# Altium PCB SAMD21_Xplained_Pro.PcbDoc (part 1 of 2)
Units mm, origin at the board's own origin, x right, y up, seen from the top; angles counter-clockwise.
Board outline 60 x 100 mm, 4 copper layers (Top Layer LF-signals, GND, POWER, Bottom Layer LF-signals), stack 1.604 mm thick; 130 components, 118 nets, 600 pads, 196 vias.
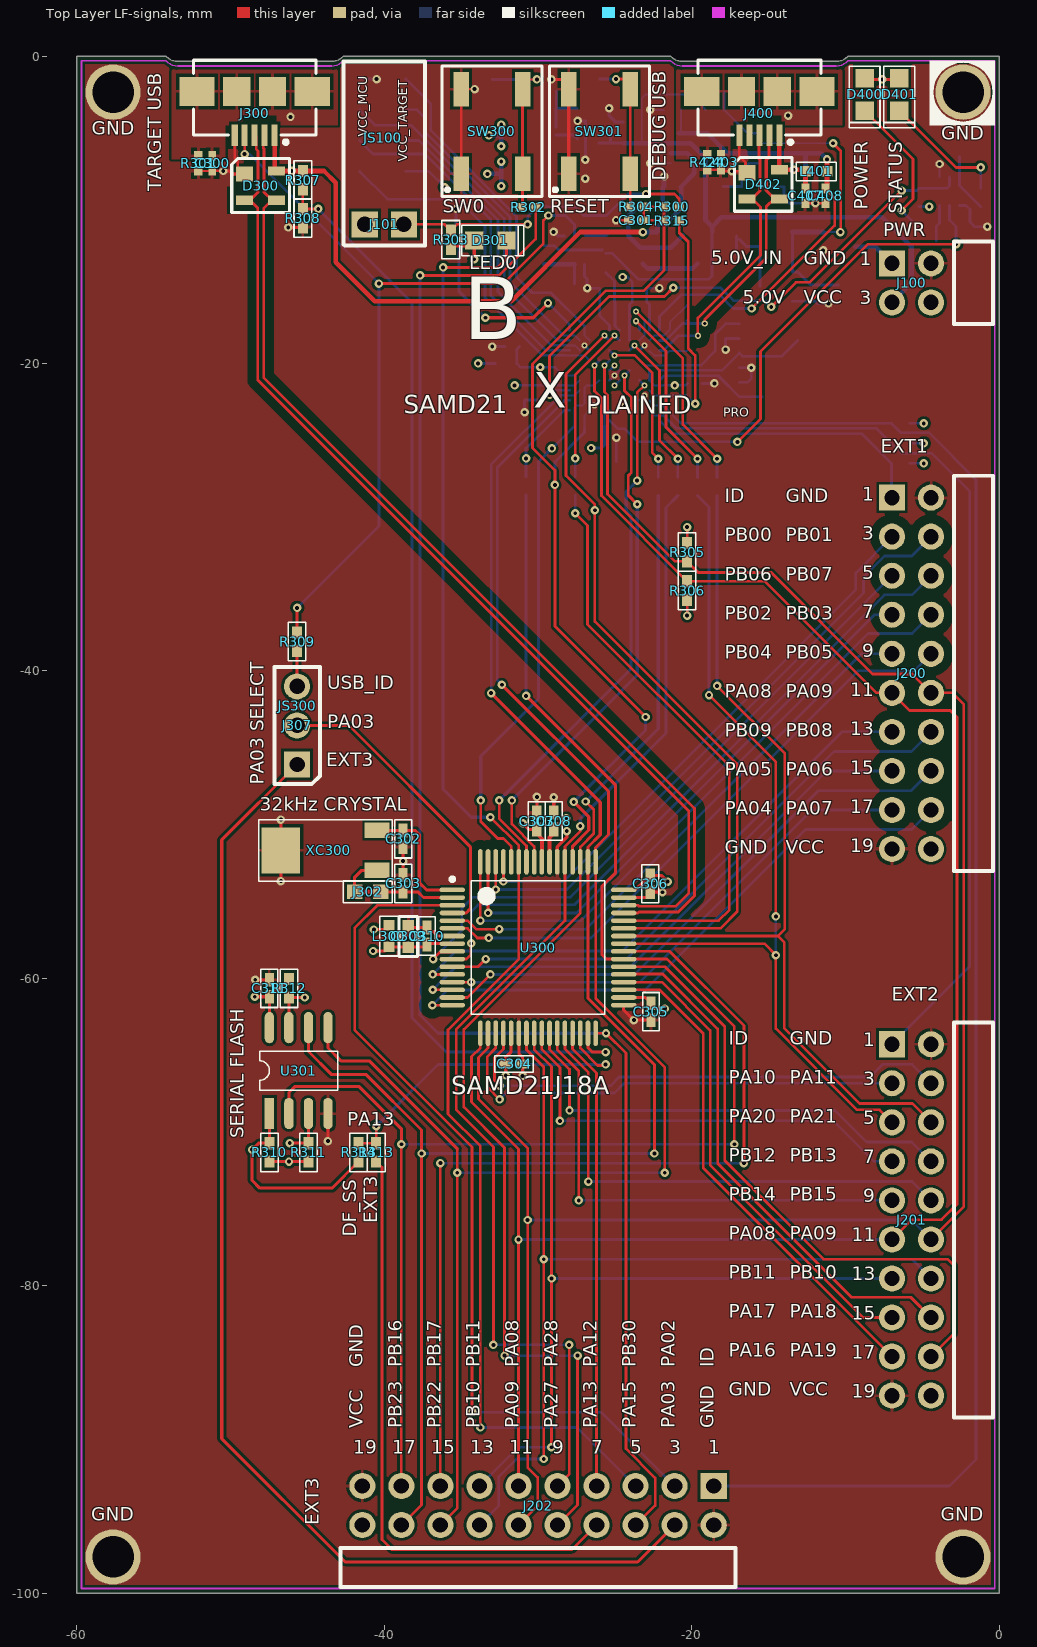
[diagram p0: Top Layer LF-signals view]
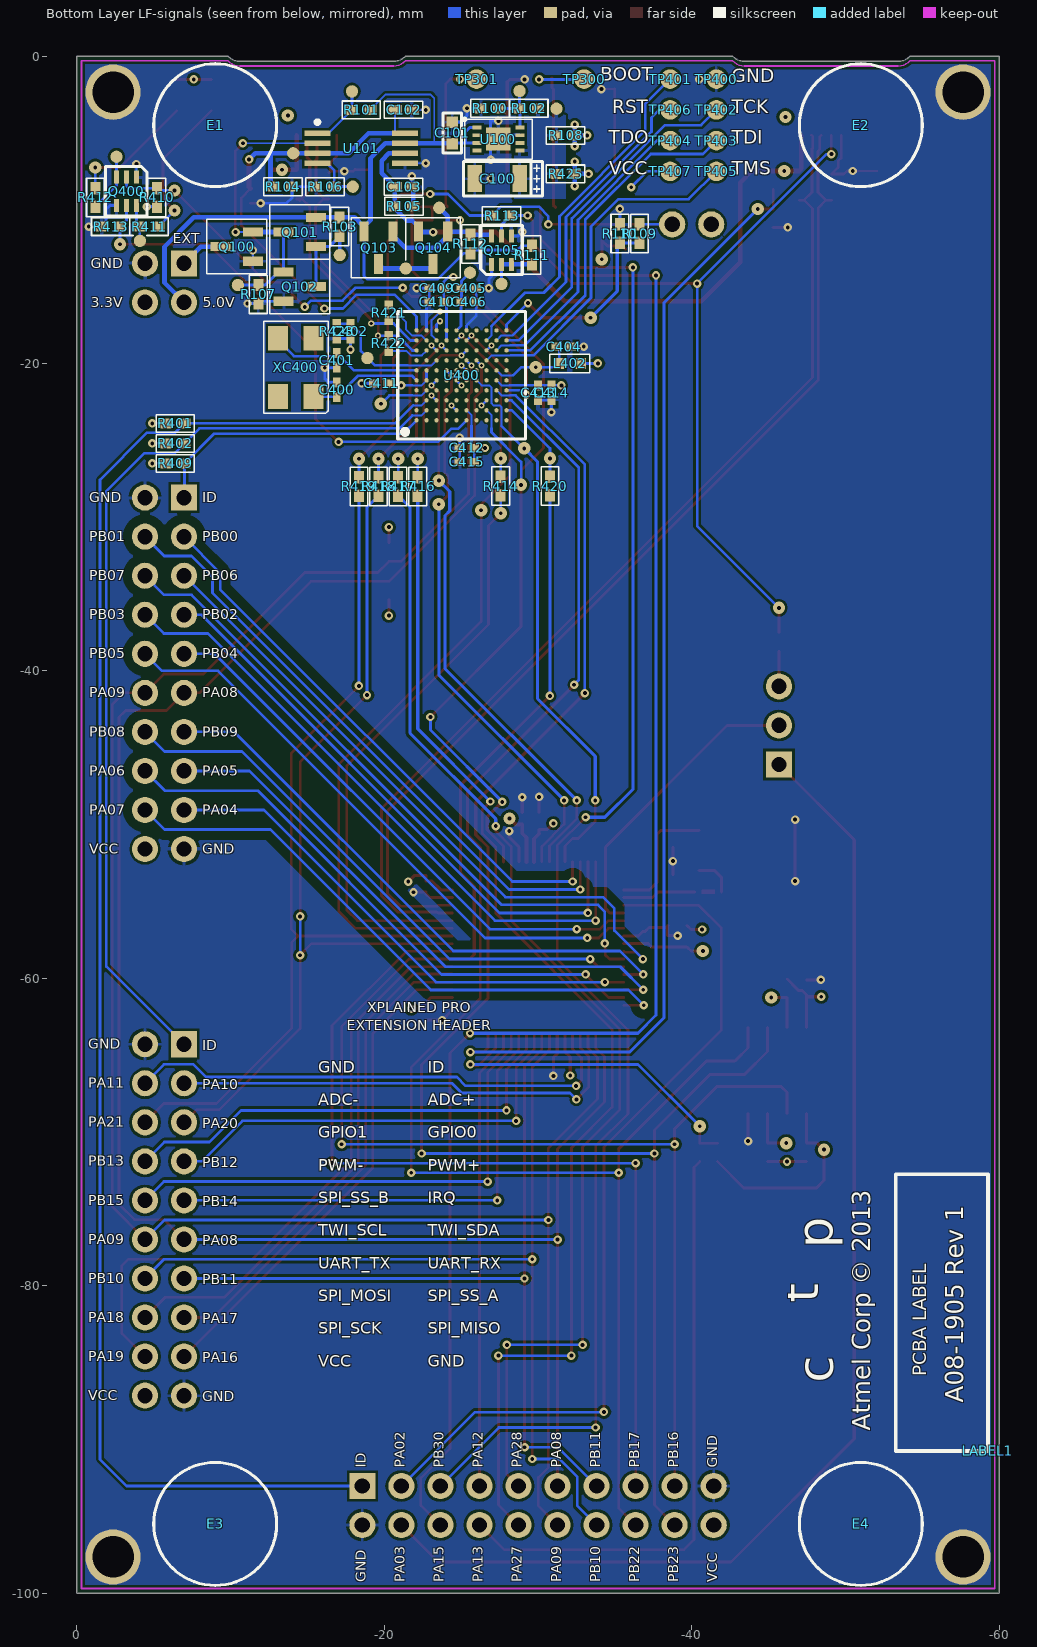
[diagram p1: Bottom Layer LF-signals view, seen from below]
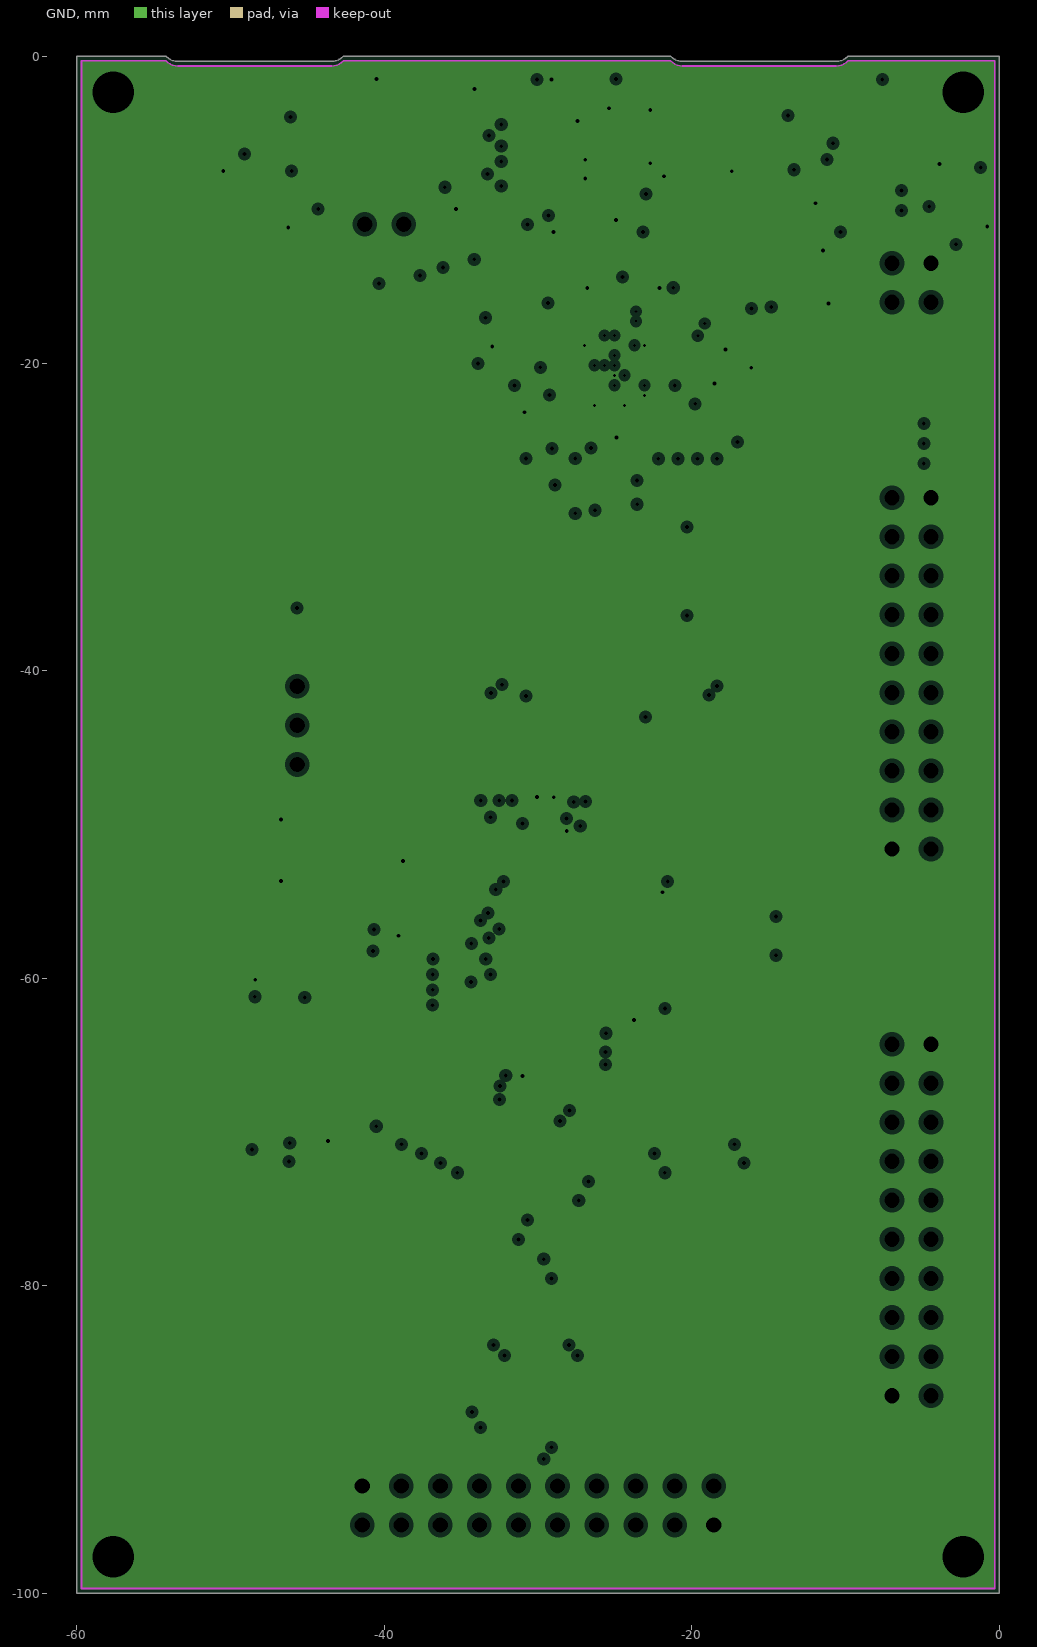
[diagram p2: GND, clearances drawn from the general rule]
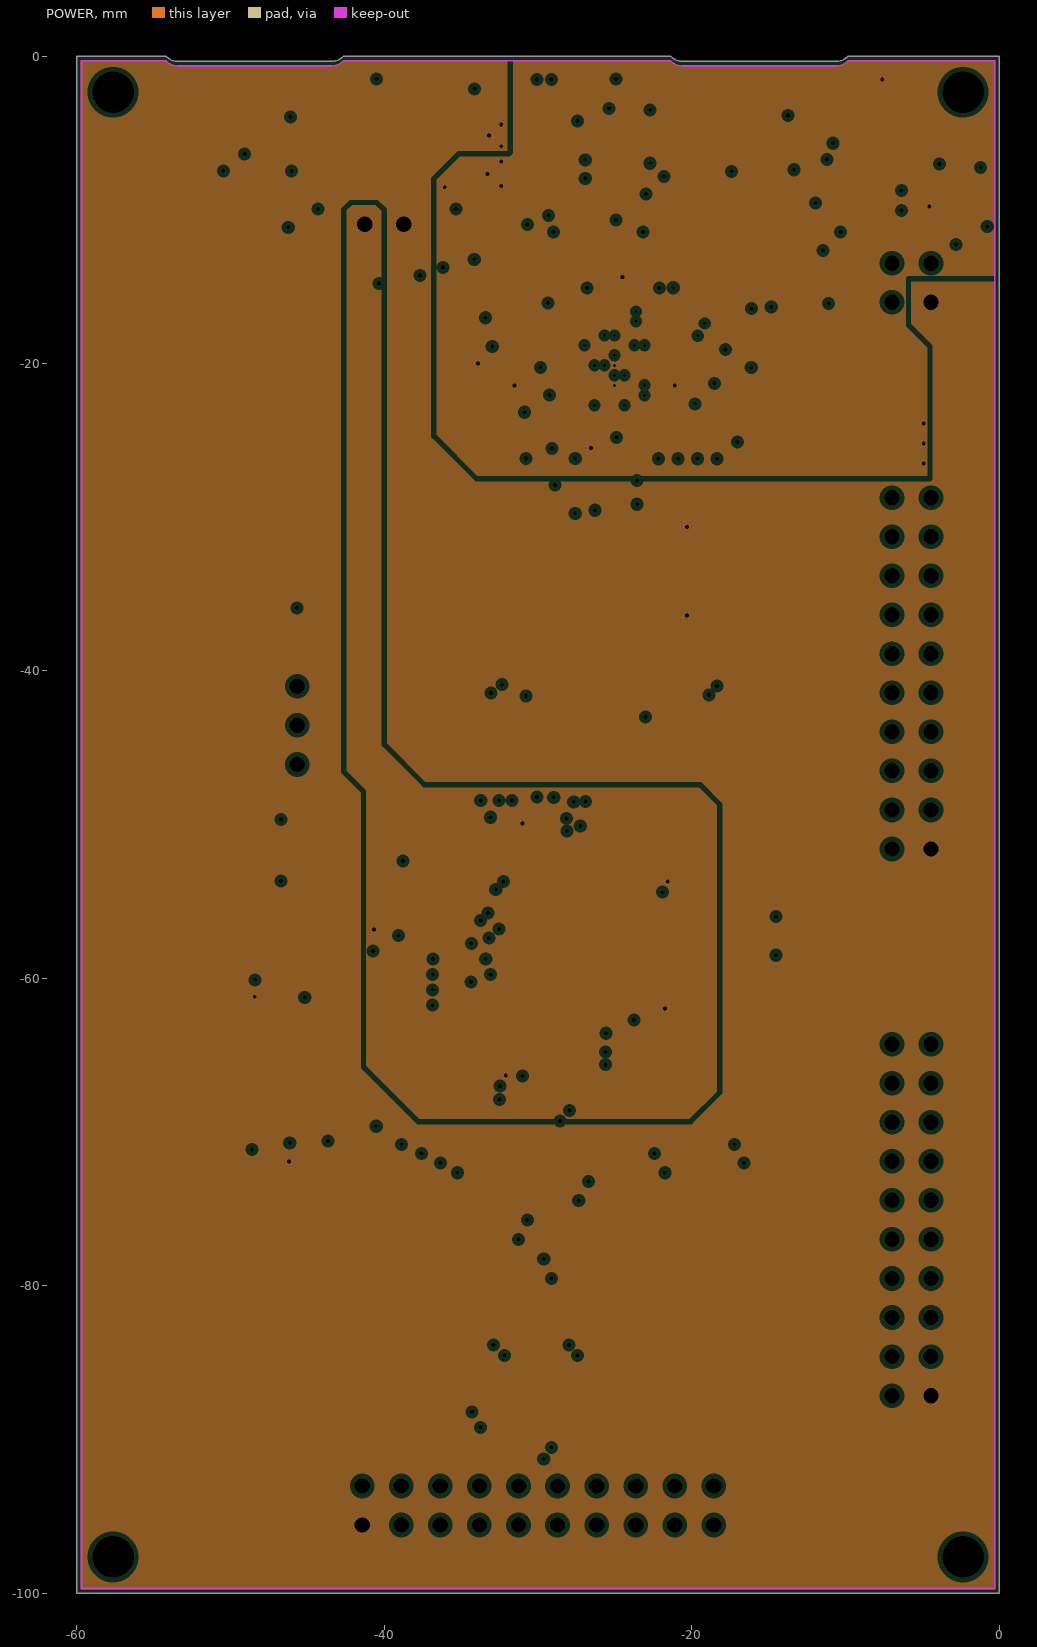
[diagram p3: POWER, clearances drawn from the general rule]
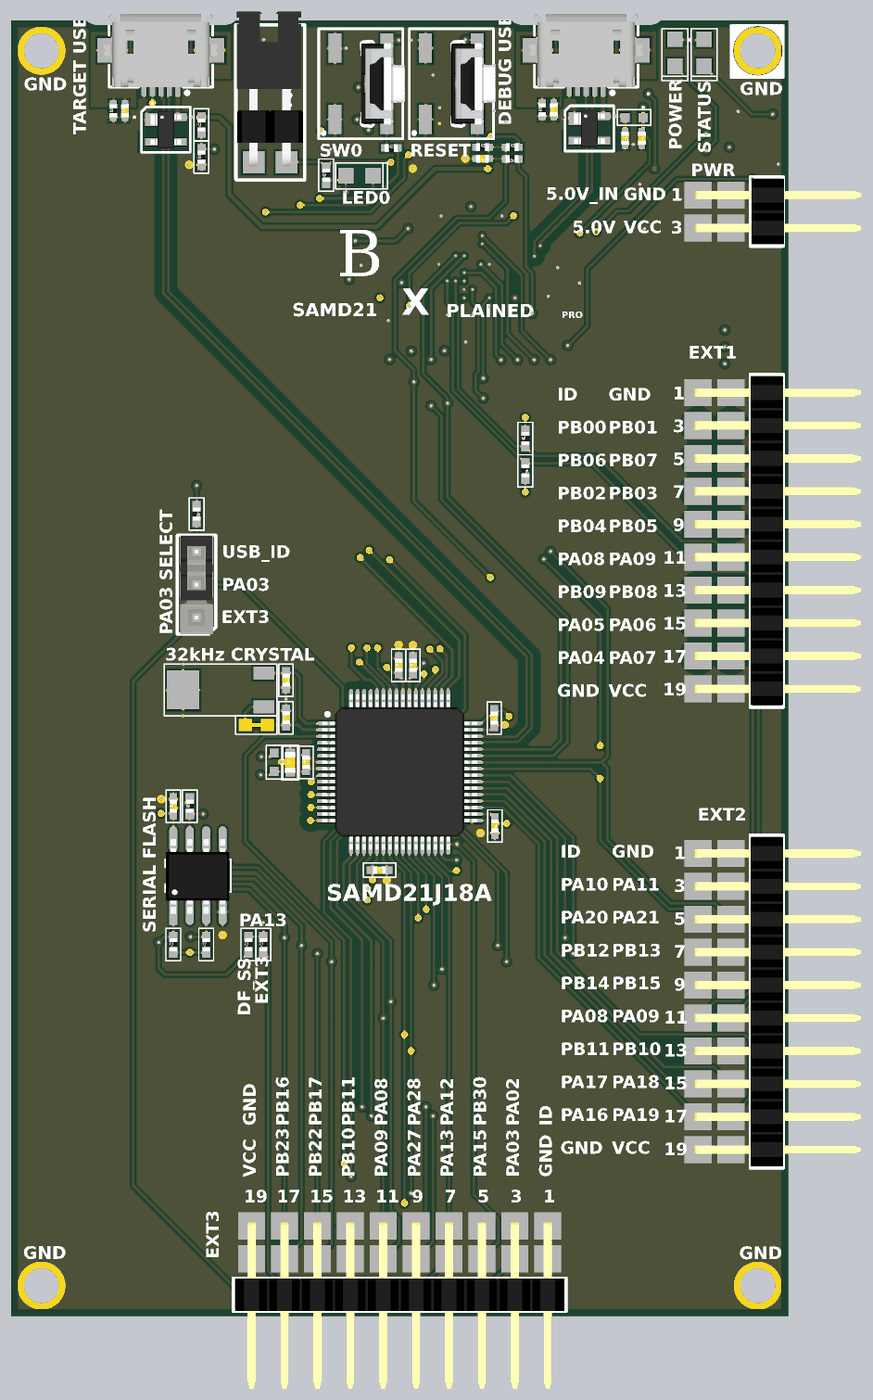
[diagram p5: 3D render of the assembled board from above, using the file's embedded part models]
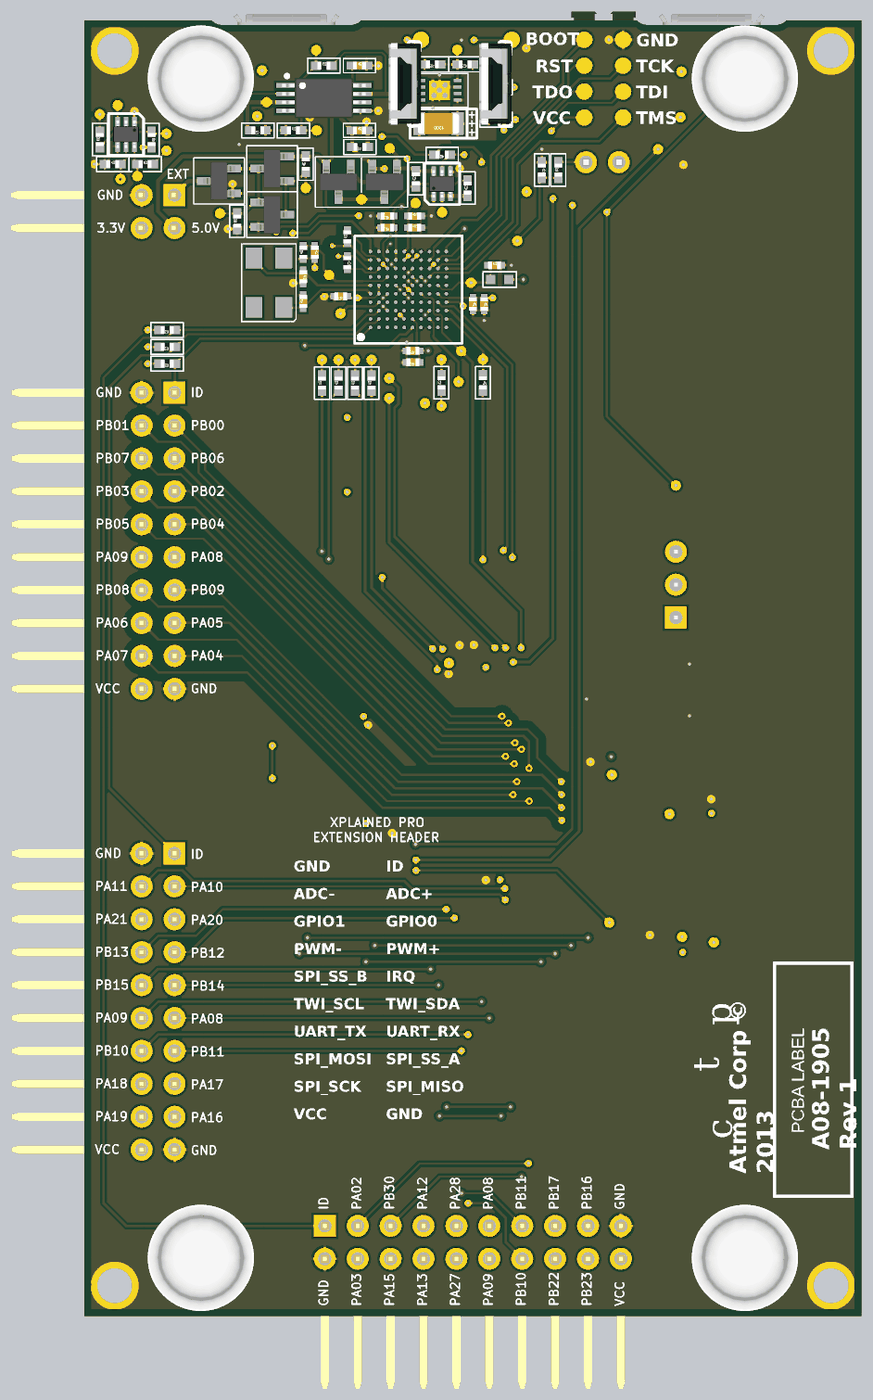
[diagram p6: 3D render of the assembled board from below, using the file's embedded part models]

## Layer stack, top to bottom
Top Solder: solder mask 0.0102, Solder Resist, Dk 3.5
Top Layer LF-signals: signal copper 0.049
Dielectric1: prepreg 0.118, FR-4, Dk 4.8
GND: plane copper 0.035
Dielectric2: core 1.2, FR-4, Dk 4.8
POWER: plane copper 0.035
Dielectric3: prepreg 0.118, FR-4, Dk 4.8
Bottom Layer LF-signals: signal copper 0.049
Bottom Solder: solder mask 0.0102, Solder Resist, Dk 3.5

## Board outline
-60,-100 -60,0 -54.209,0 -54.209,-0.001 ccw(c-53.434,0.686) -53.434,-0.35 -43.434,-0.35 ccw(c-43.434,0.686) -42.659,-0.001 -42.659,0 -21.375,0 -21.375,-0.001 ccw(c-20.6,0.686) -20.6,-0.35 -10.6,-0.35 ccw(c-10.6,0.686) -9.825,-0.001 -9.825,0 0,0 0,-100

## Design rules (kind name [scope] priority, off if disabled: settings)
AcuteAngle [All] p1: minimum=7.00000000000000E+0001 checktracksonly=FALSE
AssemblyTestPointUsage "Schematic Assembly Testpoint Usage_10" [InNet('XIN0')] p1: valid=1
AssemblyTestPointUsage "Schematic Assembly Testpoint Usage_9" [InNet('XOUT0')] p2: valid=1
AssemblyTestPointUsage "Schematic Assembly Testpoint Usage_8" [InNet('EDBG_USB_FS_N')] p3: valid=1
AssemblyTestPointUsage "Schematic Assembly Testpoint Usage_7" [InNet('EDBG_USB_FS_P')] p4: valid=1
AssemblyTestPointUsage "Schematic Assembly Testpoint Usage_6" [InNet('EDBG_USB_HS_N')] p5: valid=1
AssemblyTestPointUsage "Schematic Assembly Testpoint Usage_5" [InNet('NetJ302_1')] p6: valid=1
AssemblyTestPointUsage "Schematic Assembly Testpoint Usage_4" [InNet('PA01_XOUT32')] p7: valid=1
AssemblyTestPointUsage "Schematic Assembly Testpoint Usage_3" [InNet('PA00_XIN32')] p8: valid=1
AssemblyTestPointUsage "Schematic Assembly Testpoint Usage_2" [InNet('TARGET_USB_P')] p9: valid=1
AssemblyTestPointUsage "Schematic Assembly Testpoint Usage_1" [InNet('TARGET_USB_N')] p10: valid=1
AssemblyTestPointUsage "Schematic Assembly Testpoint Usage" [InNet('EDBG_USB_HS_P')] p11: valid=1
AssemblyTestPointUsage [All] p12:
AssemblyTestpoint [All] p1: testpointundercomponent=TRUE minsize=0.8 maxsize=10 preferedsize=0.8 minholesize=0 maxholesize=2 preferedholesize=0.25 testpointgrid=0.025 usegrid=FALSE gridtolerance=0 allowsidebottom=TRUE minspacing=1.27 compbodyclearance=0.127
Clearance Clearance_EDBG [InComponent('U400')] p1: gap=0.119
Clearance Clearance_touch [IsRegion vs (InNet('PB00_ADC8') OR InNet('PB01_ADC9') OR InNet('PB02_PWM_TC6_0') OR InNet('PB03_PWM_TC6_1') OR InNet('PB04_GPIO_IRQ4') OR InNet('PB05_GPIO_SS') OR InNet('PB06_GPIO') OR InNet('PB07_GPIO') OR InNet('PB08_S4_UART_TX') OR InNet('PB09_S4_UART_RX') OR InNet('PA04_S0_SPI_MISO') OR InNet('PA05_S0_SPI_SS') OR InNet('PA06_S0_SPI_MOSI') OR InNet('PA07_S0_SPI_SCK'))] p2: gap=0.6
Clearance Clearance_Poly_Impedance [IsRegion vs InDifferentialPairClass('All Differential Pairs')] p3: gap=0.6
Clearance Clearance_Poly [InPoly] p4: gap=0.175
Clearance [All] p5: gap=0.135
ComponentClearance [All] p1: gap=0.1 collisioncheckmode=3 verticalgap=0.1 showdistances=FALSE
DiffPairsRouting [All] p1: maxlimit=0.22 minlimit=0.2 mostfreqgap=0.2 toplayer_minwidth=0.381 toplayer_maxwidth=0.381 toplayer_prefwidth=0.381 bottomlayer_minwidth=0.381 bottomlayer_maxwidth=0.381 bottomlayer_prefwidth=0.381 maxuncoupledlength=20
FabricationTestPointUsage TestPointUsage [All] p1: valid=0 allowmultiple=FALSE
FabricationTestpoint Testpoint [All] p1: side=2 testpointundercomponent=TRUE minsize=0.55 maxsize=10 preferedsize=0.8 minholesize=0 maxholesize=2 preferedholesize=0.25 testpointgrid=0 allowsidebottom=TRUE usegrid=FALSE gridtolerance=0 minspacing=1.27 compbodyclearance=0.127
HoleSize [All] p1: absolutevalues=TRUE maxlimit=10 minlimit=0.15 maxpercent=80.000 minpercent=20.000
HoleToHoleClearance [All] p1: gap=0.3 allowstackedmicrovias=TRUE
MinimumAnnularRing [All] p1: minimumring=0.1
MinimumSolderMaskSliver [All] p1: minsoldermaskwidth=0.075
PlaneClearance [All] p1: clearance=0.3
PlaneConnect PlaneConnect_VIA [IsVia OR HasPad('Free-666')] p1: planeconnectstyle=Direct reliefexpansion=0.508 reliefentries=4 reliefconductorwidth=0.254 reliefairgap=0.254
PlaneConnect [All] p2: planeconnectstyle=Relief reliefexpansion=0.508 reliefentries=4 reliefconductorwidth=0.254 reliefairgap=0.254
PolygonConnect PolygonConnect_VIA [IsVia OR HasPad('Free-666')] p1: connectstyle=Direct reliefconductorwidth=0.254 reliefentries=4 polygonreliefangle="90 Angle" airgapwidth=0.254
PolygonConnect [All] p2: connectstyle=Relief reliefconductorwidth=0.2 reliefentries=4 polygonreliefangle="90 Angle" airgapwidth=0.2
RoutingVias [All] p1: holewidth=0.25 width=0.55 viastyle="Through Hole" minholewidth=0.2 minwidth=0.4 maxholewidth=0.5 maxwidth=1
SMDNeckDown [All] p1: percent=90.000
SilkToSilkClearance SilkToSilkClearance_Text [IsText vs IsText] p1: silktosilkclearance=0
SilkToSilkClearance [All] p2: silktosilkclearance=0.1
SilkToSolderMaskClearance SilkscreenOverComponentPads [IsPad] p1: minsilkscreentomaskgap=0.1 clearancetoexposedcopper=TRUE
SolderMaskExpansion SolderMaskTenting [IsVia AND NOT (IsFabTestpoint OR IsAssyTestpoint)] p1: expansion=-1
SolderMaskExpansion [All] p2: expansion=0.05
ViasUnderSMD [All] p1: allowed=FALSE
Width [All] p1: maxlimit=10 minlimit=0.125 preferedwidth=0.175
17 further rules are at their usual default settings.

## Classes and differential pairs
component class Target_MCU: C300 C301 C302 C303 C304 C305 C306 C307 C308 C309 C310 C311 D300 D301 J300 J302 J307 JS300 L300 R300 R301 R302 R303 R304 R305 R306 R307 R308 R309 R310 R311 R312 R313 R314 R315 SW300 SW301 TP300 TP301 U300 U301 XC300
component class SAMD21_Xplained_Pro_TopLevel: E1 E2 E3 E4 FIXTURE1 FW1 LABEL1 PCB1 PCBADOC1 TEST1 TESTDOC1
component class Power_supply: C100 C101 C102 C103 J100 J101 JS100 Q100 Q101 Q102 Q103 Q104 Q105 R100 R101 R102 R103 R104 R105 R106 R107 R108 R109 R110 R111 R112 R113 U100 U101
component class EDBG: C400 C401 C402 C403 C404 C405 C406 C407 C408 C409 C410 C411 C412 C413 C414 C415 D400 D401 D402 J400 L401 L402 Q400 R401 R402 R409 R410 R411 R412 R413 R414 R416 R417 R418 R419 R420 R421 R422 R423 R424 R425 TP400 TP401 TP402 TP403 TP404 TP405 TP406 TP407 U400 XC400
component class Connectors: J200 J201 J202
differential pair EDBG_USB_HS: +EDBG_USB_HS_P -EDBG_USB_HS_N
differential pair EDBG_USB_FS: +EDBG_USB_FS_P -EDBG_USB_FS_N
differential pair TARGET_USB: +TARGET_USB_P -TARGET_USB_N

## Components (designator, comment, footprint, x,y, rotation, side; value= is the part's Value field where it differs from the comment)
C100 "CAP-POL" AP1-00036 -27.35,-7.975 r0 bottom
C101 "CAP-NONPOL" AP1-00039 -24.425,-5 r90 bottom
C102 "CAP-NONPOL" AP1-00001 -21.25,-3.5 r180 bottom locked
C103 "CAP-NONPOL" AP1-00001 -21.25,-8.5 r180 bottom locked
C300 "CAP-NONPOL" AP1-00053 -51.2,-6.978 r90 top locked
C301 "100n" AP1-00053 -23.6,-10.675 r180 top locked
C302 "CAP-NONPOL" AP1-00001 -38.775,-50.925 r270 top
C303 "CAP-NONPOL" AP1-00001 -38.775,-53.825 r90 top
C304 "CAP-NONPOL" AP1-00001 -31.55,-65.575 r0 top
C305 "CAP-NONPOL" AP1-00001 -22.65,-62.175 r270 top
C306 "CAP-NONPOL" AP1-00001 -22.7,-53.85 r270 top
C307 "CAP-NONPOL" AP1-00001 -30.075,-49.775 r90 top
C308 "CAP-NONPOL" AP1-00001 -28.975,-49.775 r90 top
C309 "CAP-NONPOL" AP1-00039 -38.45,-57.275 r90 top
C310 "CAP-NONPOL" AP1-00001 -37.225,-57.25 r90 top
C311 "100n" AP1-00001 -47.475,-60.65 r90 top
C400 "22p" AP1-00053 -16.9,-21.7 r90 bottom locked
C401 "22p" AP1-00053 -16.9,-19.8 r270 bottom locked
C402 "10p" AP1-00053 -17.8,-17.9 r270 bottom locked
C403 "CAP-NONPOL" AP1-00053 -18.1,-6.9 r90 top locked
C404 "100n" AP1-00053 -31.675,-18.9 r180 bottom locked
C405 "Farnell no: 1288200" AP1-00053 -25.5,-15.1 r180 bottom locked
C406 "1 nF C0G" AP1-00053 -25.5,-16 r180 bottom locked
C407 "1 nF C0G" AP1-00053 -12.6,-9.1 r270 top locked
C408 "1 nF C0G" AP1-00053 -11.3,-9.1 r270 top locked
C409 "Farnell no: 1288200" AP1-00053 -23.4,-15.1 r0 bottom locked
C410 "100n" AP1-00053 -23.4,-16 r0 bottom locked
C411 "100n" AP1-00053 -19.8,-21.3 r0 bottom locked
C412 "100n" AP1-00053 -25.375,-25.5 r0 bottom locked
C413 "100n" AP1-00053 -30,-21.9 r270 bottom locked
C414 "Farnell no: 1288200" AP1-00053 -30.875,-21.9 r270 bottom locked
C415 "Farnell no: 1288200" AP1-00053 -25.375,-26.4 r0 bottom locked
D300 "PRTR5V0U2X" AP4-00001 -49.1,-7.678 r0 top locked
D301 "Yellow" AP4-00013 -33.1,-12 r180 top locked
D400 "Green" AP4-00013 -8.75,-2.5 r90 top locked
D401 "Yellow" AP4-00013 -6.5,-2.5 r90 top locked
D402 "PRTR5V0U2X" AP4-00001 -16.4,-7.6 r0 top locked
E1 "RUBBER FEET" AP8-00192 -9,-4.5 r180 bottom locked
E2 "RUBBER FEET" AP8-00192 -51,-4.5 r180 bottom locked
E3 "RUBBER FEET" AP8-00192 -9,-95.5 r180 bottom locked
E4 "RUBBER FEET" AP8-00192 -51,-95.5 r180 bottom locked
J100 "HEADER 2x2" AP8-00628 -5.7,-14.76 r270 top locked
J101 "HEADER 1x2" AP8-00367 -40,-10.95 r0 top locked
J200 "HEADER 2x10" AP8-00622 -5.7,-40.16 r270 top locked
J201 "HEADER 2x10" AP8-00622 -5.7,-75.72 r270 top locked
J202 "HEADER 2x10" AP8-00622 -30,-94.3 r180 top locked
J300 "USB_AB" AP8-00604 -48.434,-2.3 r180 top locked
J302 "" AP9-00044 -41.075,-54.375 r0 top net-tie
J307 "Same as A08-1614 but with 1mm hole for optimal reflow soldering (no misalignment of the component)" AP8-00745 -45.675,-43.55 r90 top locked
J400 "USB_AB" AP8-00604 -15.6,-2.3 r180 top locked
JS100 "To be used by request from ESCATEC" AP8-00525 -40.1,-5.3 r0 top locked
JS300 "To be used by request from ESCATEC" AP8-00525 -45.675,-42.28 r90 top
L300 "BLM18PG471SN1" AP3-00005 -39.7,-57.25 r270 top
L401 "BLM18PG471SN1" AP3-00005 -11.9,-7.5 r0 top locked
L402 "BLM18PG471SN1" AP3-00005 -32.075,-20 r0 bottom locked
LABEL1 "PCBA_LABEL" AP8-00317 -59.275,-90.75 r90 bottom
Q100 "MOSFET_P_GSD" AP5-00002 -10.4,-12.4 r0 bottom locked
Q101 "MOSFET_P_GSD" AP5-00002 -14.5,-11.45 r0 bottom locked
Q102 "MOSFET_N_GSD" AP5-00002 -14.5,-15 r180 bottom locked
Q103 "MOSFET_P_GSD" AP5-00002 -19.625,-12.475 r270 bottom
Q104 "MOSFET_P_GSD" AP5-00002 -23.175,-12.475 r270 bottom
Q105 "Same as 2N7002 but with two MOSFETs in one package" AP5-00001 -27.625,-12.625 r90 bottom
Q400 "Same as 2N7002 but with two MOSFETs in one package" AP5-00001 -3.225,-8.8 r270 bottom locked
R100 "R2" AP2-00000 -26.875,-3.4 r0 bottom
R101 "R2" AP2-00000 -18.5,-3.5 r180 bottom locked
R102 "R2" AP2-00000 -29.4,-3.4 r0 bottom
R103 "R2" AP2-00000 -17.1,-11.1 r90 bottom
R104 "R2" AP2-00000 -13.4,-8.5 r0 bottom
R105 "R2" AP2-00000 -21.275,-9.775 r0 bottom
R106 "R2" AP2-00000 -16.15,-8.5 r180 bottom
R107 "R2" AP2-00000 -11.8,-15.5 r90 bottom locked
R108 "R2" AP2-00000 -31.79,-5.165 r180 bottom locked
R109 "R2" AP2-00000 -36.6,-11.55 r90 bottom
R110 "R2" AP2-00000 -35.325,-11.55 r270 bottom
R111 "R2" AP2-00000 -29.6,-12.95 r90 bottom
R112 "R2" AP2-00000 -25.6,-12.225 r90 bottom
R113 "R2" AP2-00000 -27.625,-10.375 r0 bottom
R300 "R2" AP2-00011 -21.311,-9.8 r0 top locked
R301 "R2" AP2-00011 -52.1,-6.978 r90 top locked
R302 "R2" AP2-00011 -30.65,-9.85 r0 top locked
R303 "R2" AP2-00000 -35.675,-11.95 r90 top
R304 "R2" AP2-00011 -23.6,-9.8 r0 top locked
R305 "R2" AP2-00000 -20.3,-32.275 r90 top
R306 "R2" AP2-00000 -20.3,-34.775 r270 top
R307 "R2" AP2-00000 -45.3,-8.075 r90 top
R308 "R2" AP2-00000 -45.3,-10.55 r90 top
R309 "R2" AP2-00000 -45.675,-38.1 r270 top
R310 "R2" AP2-00000 -47.475,-71.325 r90 top
R311 "R2" AP2-00000 -44.935,-71.325 r90 top
R312 "R2" AP2-00000 -46.205,-60.65 r90 top
R313 "R2" AP2-00000 -40.525,-71.325 r90 top
R314 "R2" AP2-00000 -41.675,-71.325 r90 top
R315 "R2" AP2-00011 -21.311,-10.7 r180 top locked
R401 "R2" AP2-00000 -6.4,-23.9 r0 bottom locked
R402 "R2" AP2-00000 -6.4,-25.2 r0 bottom locked
R409 "R2" AP2-00000 -6.4,-26.5 r0 bottom locked
R410 "R2" AP2-00000 -5.2,-9.2 r270 bottom locked
R411 "R2" AP2-00000 -4.7,-11.1 r180 bottom locked
R412 "R2" AP2-00000 -1.2,-9.2 r90 bottom locked
R413 "R2" AP2-00000 -2.2,-11.1 r180 bottom locked
R414 "R2" AP2-00000 -27.575,-27.975 r90 bottom
R416 "R2" AP2-00000 -22.175,-28 r90 bottom
R417 "R2" AP2-00000 -20.9,-28 r90 bottom
R418 "R2" AP2-00000 -19.625,-28 r90 bottom
R419 "R2" AP2-00000 -18.35,-28 r90 bottom
R420 "R2" AP2-00000 -30.775,-27.975 r270 bottom
R421 "R2" AP2-00011 -20.3,-16.7 r90 bottom locked
R422 "R2" AP2-00011 -20.3,-18.7 r270 bottom locked
R423 "R2" AP2-00011 -16.9,-17.9 r90 bottom locked
R424 "R2" AP2-00011 -19,-6.9 r90 top locked
R425 "R2" AP2-00000 -31.79,-7.665 r0 bottom locked
SW300 "Can be ordered in low volumes from Mouser" AP8-00137 -33,-4.9 r90 top locked
SW301 "Can be ordered in low volumes from Mouser" AP8-00137 -26,-4.9 r90 top locked
TP300 "TESTPOINT" AP8-00010#1 -32.825,-1.475 r270 bottom locked
TP301 "TESTPOINT" AP8-00010#2 -26,-1.5 r270 bottom locked
TP400 "TESTPAD" AP8-00010#2 -41.6,-1.5 r270 bottom locked
TP401 "TESTPAD" AP8-00010#2 -38.6,-1.5 r270 bottom locked
TP402 "TESTPAD" AP8-00010#2 -41.6,-3.5 r270 bottom locked
TP403 "TESTPAD" AP8-00010#2 -41.6,-5.5 r270 bottom locked
TP404 "TESTPAD" AP8-00010#2 -38.6,-5.5 r270 bottom locked
TP405 "TESTPAD" AP8-00010#2 -41.6,-7.5 r270 bottom locked
TP406 "TESTPAD" AP8-00010#2 -38.6,-3.5 r270 bottom locked
TP407 "TESTPAD" AP8-00010#2 -38.6,-7.5 r270 bottom locked
U100 "Mouser: 1016-1588-2-ND" AP6-00338 -27.425,-5.4 r180 bottom
U101 "TPS2112" AP6-00054 -18.5,-6 r180 bottom locked
U300 "TQFP64" AP6-00173 -30,-58 r0 top
U301 "AT25DF081A" AP8-00417 -47.475,-68.8 r0 top
U400 "100 ball VFBGA" AP6-00206 -25.025,-20.775 r90 bottom locked
XC300 "Farnell order no:1539364" AP7-00044 -40.475,-51.675 r90 top
XC400 "12.0MHz" AP7-00039 -14.25,-20.25 r90 bottom locked
